# Altium PCB GPS_Tracking_V1_3.PcbDoc (continued)
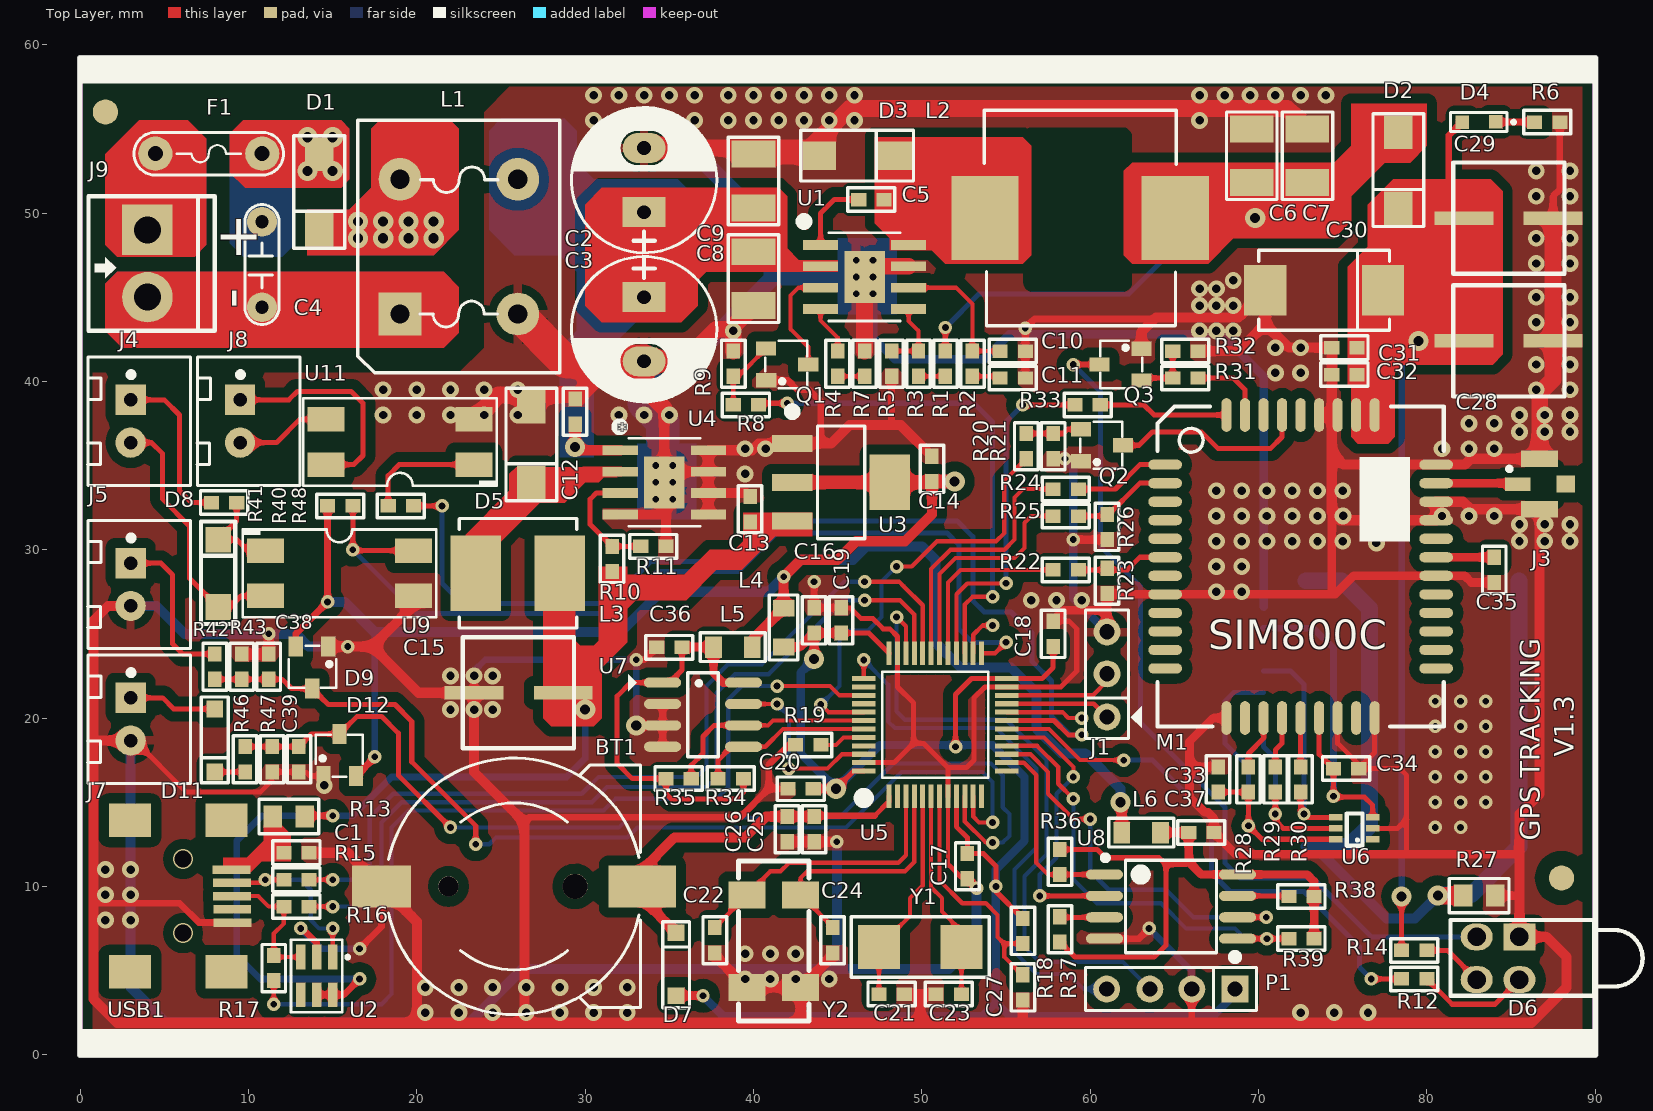
[diagram p0: Top Layer view]
## Nets (pads, with @x,y where several pads share a name; then routed paths per layer and width w, separated by ;. In a path a pad name is that pad's centre, name@x,y a point inside that pad or via, vN(x,y) a via of type N, cw(c..) or ccw(c..) an arc to the next point about the centre after c; other vN are vias at no path point)
+3V3: C14.2 D9.2 D12.2 L4.1 L5.1 L6.1 R40.2 U3.2 U3.4 | length 107.5
  Top Layer w0.4: D9.2 12.815,25.015 v2(14.7,26.9) R40.2 ; D12.2 17.5,17.664 v2(17.5,17.7)
  Top Layer w0.6: L5.1 39.925,24.66 L4.1 v2(41.789,28.389) 42.8,29.4 45,29.4 46.1,30.5 49,30.5 50.6,32.1 C14.2 ; v3(61.8,15) 61.875,14.925 L6.1
  Top Layer w0.8: U3.2 U3.4 50.55,34 C14.2 v4(51.95,34.05)
  Bottom Layer w0.4: v2(17.5,17.7) 17.5,24.9
  Bottom Layer w0.6: v2(14.7,26.9) 15.7,26.9 17.5,25.1 32.1,25.1 34.5,27.5 40.9,27.5 v2(41.789,28.389) 42.8,29.4 45.9,29.4 46.7,30.2 50,30.2 50.8,29.4 50.8,24.5 52.3,23 55.3,23 56.8,21.5 56.8,19.4 58.3,17.9 59.7,17.9 61.8,15.8 v3(61.8,15)
+3V3_EEPROM: C36.2 L5.2 R34.1 R35.1 U7.1 U7.8 | length 25.1
  Top Layer w0.3: C36.2 35.75,22.85 35.005,22.105 U7.1 32.705,22.105 31.9,21.3 31.9,17.3 32.8,16.4 R35.1 34.8,15.5 35.1,15.2 39,15.2 39.4,15.6 R34.1
  Top Layer w0.5: C36.2@35.761,24.211 L5.2 37.625,22.675 38.195,22.105 U7.8
+3V3_FLASH: C37.1 L6.2 R36.2 R37.2 R38.1 R39.1 U8.8 | length 34.6
  Top Layer w0.3: R37.2 59.1,5.8 63.8,5.8 64.5,6.5 64.5,11.3 ; R36.2 60.4,12.2 60.9,11.7 64.1,11.7 64.5,11.3 ; 65.85,11.45 65.7,11.3 64.5,11.3
  Top Layer w0.5: L6.2@64.186,13.2 C37.1 65.85,11.45 66.595,10.705 U8.8 72.895,10.705 73.3,10.3 R38.1 R39.1
+3V3_MCU: C16.2 C17.2 C18.2 C19.2 C20.2 D7.1 L4.2 P1.1 R18.2 U5.9 U5.24 U5.36 U5.48 | length 103
  Top Layer w0.3: v3(44.9,15.8) 45.95,16.85 U5.48 ; C19.2 46.85,25.05 U5.36 ; v2(52,18.3) 52,21.4 52.95,22.35 U5.24 57.15,22.35 57.8,23 C18.2 ; U5.9 52.05,13.55 52.7,12.9 C17.2@52.7,12.25 ; C17.2 53.65,11.95 54.4,11.2 v2(54.4,10) 54.4,9.7 R18.2
  Top Layer w0.4: C20.2 v3(44.9,15.8)
  Top Layer w0.5: D7.1 36.992,3.508 v2(37,3.5) ; L4.2 42.775,24.225 C16.2 ; v3(43.6,23.5) C16.2 ; C19.2 C16.2
  Bottom Layer w0.5: v2(37,3.5) 38.2,2.3 53.6,2.3 54.4,3.1 ; v3(43.6,23.5) 42.8,22.7 42.8,17.9 v3(44.9,15.8) 47.5,18.4 54.2,18.4 56.1,16.5 56.1,12.7 54.4,11 v2(54.4,10) 54.4,3.1 ; P1.1@68.6,3.6 67.3,2.3 55.2,2.3 54.4,3.1
+4V3: C6.2 C7.2 D2.1 L2.2 R1.2 | length 39.4
  Top Layer w0.3: R1.2 v2(51.4,43.2) ; v4(69.8,49.7) C6.2@69.8,51.6
  Top Layer w1: L2.2 67.5,49.7 C6.2 C7.2 74.808,51.8 D2.1@77.9,54.892
  Bottom Layer w0.3: v2(51.4,43.2) 53.4,45.2 62.3,45.2 66.8,49.7 v4(69.8,49.7)
+4V_GSM: C28.1 C29.1 C30.1 C31.1 C32.1 D2.2 D4.1 M1.34 M1.35 R14.2 | length 71.8
  Top Layer w0.3: R14.2 v3(78.5,9.4)
  Top Layer w0.4: D4.1 81.3,54.6 81.3,50.6 81.508,50.392 C29.1
  Top Layer w0.6: C32.1@75.8,40.45 M1.35 M1.34
  Top Layer w1: C32.1@75.8,40.45 75.8,43.8 C30.1 79.2,45.4 C28.1 ; D2.2@77.9,50.392 81.508,50.392 ; v3(79.5,42.4) C28.1 ; C29.1 C28.1
  Bottom Layer w0.4: v3(78.5,9.4) 78.5,41.4 v3(79.5,42.4)
+5V: C13.2 C15.1 L3.1 R10.2 R13.1 U2.5 U2.6 U3.3 | length 76.7
  Top Layer w0.4: R13.1@13.4,14.2 v5(15,14.2) ; U2.5 U2.6 15.665,3.565 v5(16.6,4.5)
  Top Layer w0.6: L3.1 28.5,21.7 C15.1 C15.1@29,21.5 ; v4(30,20.5) C15.1@29,21.5 ; R10.2 31.6,26.2 ; U3.3 39.85,31.7 C13.2 39.8,30.1 38.9,29.2 37.5,29.2 36,27.7 31.7,27.7 31.6,27.6 31.6,26.2 ; C15.1@29,21.5 29,21.8 31.6,24.4 31.6,26.2
  Bottom Layer w0.4: v5(16.6,4.5) 10.7,4.5 9.3,5.9 9.3,12.7 10.8,14.2 v5(15,14.2) 16.2,14.2 18.5,16.5 28.9,16.5 30,17.6 v4(30,20.5)
+5V_USB: C1.2 R13.2 USB1.1 | length 5.6
  Top Layer w0.25: USB1.1 9.7,11 10.7,12 11.85,12 11.85,12.65 11.45,13.05 R13.2
+VDC_INPUT: F1.1 J9.1 | length 4.1
  Bottom Layer w1: J9.1 F1.1@4,53.057
+VIN: C2.1 C3.1 C8.2 C9.2 C12.2 L1.3 U1.2 U4.1 | length 41.3
  Top Layer w0.6: C12.2 v4(29.4,36.1) 29.595,35.905 U4.1 ; C9.2 C8.2 40.865,46.835 U1.2
  Top Layer w1: C2.1 C9.2@39.75,50.05
  Bottom Layer w1: L1.3 27.95,50.05 C2.1 C3.1 29.4,40.9 v4(29.4,36.1)
ADC_VIN_AC: C39.2 D12.3 R46.2 R47.2 U5.10 | length 60.4
  Top Layer w0.25: U5.10 52.55,13.85 53.8,12.6 v2(54.2,12.6)
  Top Layer w0.3: R46.2 R47.2 C39.2 13.75,19.05 D12.3 16.455,20.1 17.9,20.1 18.9,19.1 18.9,16.6 v2(22,13.5)
  Bottom Layer w0.25: v2(22,13.5) 32,13.5 32.6,14.1 45.1,14.1 48.3,17.3 54.1,17.3 54.8,16.6 54.8,14.7 55.2,14.3 55.2,13 54.8,12.6 v2(54.2,12.6)
ADC_VIN_BAT: C38.2 D9.3 R42.2 R43.2 U5.11 | length 59.2
  Top Layer w0.25: U5.11 53.05,14.15 53.4,13.8 v2(54.2,13.8)
  Top Layer w0.3: R42.2 R43.2 C38.2 12,22.3 12.55,21.75 D9.3 14.745,20.8 18.7,20.8 19.7,19.8 19.7,17.4 23.5,13.6 v2(23.5,12.5)
  Bottom Layer w0.25: v2(23.5,12.5) 24.3,12.5 24.7,12.9 32.5,12.9 33.1,13.5 45.5,13.5 48.8,16.8 53.6,16.8 54.2,16.2 v2(54.2,13.8)
CTRL_PWR_GSM: R8.2 U5.27 | length 29.5
  Top Layer w0.25: U5.27 52.55,26.75 53,27.2 v2(54.2,27.2)
  Top Layer w0.3: R8.2 40.4,38.7 v2(42,38.7)
  Bottom Layer w0.3: v2(42,38.7) 53.1,38.7 54.2,37.6 v2(54.2,27.2)
DATA_IN1: R40.1 U5.25 U9.4 | length 55.9
  Top Layer w0.25: U5.25 54.35,23.85 v2(55,24.5)
  Top Layer w0.3: R40.1 v5(16.2,30) 16.255,29.945 U9.4
  Bottom Layer w0.3: v5(16.2,30) 20,26.2 31.8,26.2 34.3,28.7 39.1,28.7 41.4,31 51.493,31 52.2,30.293 52.2,25.3 53,24.5 v2(55,24.5)
DATA_IN1+: J4.1 R41.1 | length 10
  Top Layer w0.3: J4.1 5,38.9 5.9,38 5.9,33.5 6.6,32.8 R41.1
DATA_IN1-: D8.1 J4.2 U9.2 | length 15.7
  Top Layer w0.3: J4.2 4.24,36.36 4.9,35.7 4.9,33 6.5,31.4 6.5,28.3 D8.1 8.9,26.6 9.555,27.255 U9.2
DATA_IN2: U5.26 | length 2.5
  Top Layer w0.25: U5.26 53.05,24.95 53.6,25.5 v2(54.2,25.5)
DATA_OUT1: R48.1 U5.19 | length 61.3
  Top Layer w0.3: R48.1 v2(21.5,32.6) ; U5.19 57.85,19.85 58.7,19 v2(59.5,19)
  Bottom Layer w0.3: v2(21.5,32.6) 21.5,28 22.7,26.8 31.4,26.8 33.9,29.3 38.8,29.3 41.2,31.7 52.1,31.7 53.025,30.775 53.025,26.975 53.7,26.3 55.3,26.3 56.55,25.05 56.55,23.35 57.7,22.2 57.7,20.1 58.8,19 v2(59.5,19)
DATA_OUT2: U5.20 | length 4.6
  Top Layer w0.25: U5.20 58.35,20.35 58.7,20 v2(59.5,20)
FEEDBACK_4V: R3.1 R5.2 U1.5 | length 4.3
  Top Layer w0.25: R5.2 R3.1 49.8,43 49.216,43.584 U1.5
FLASH_CLK: U5.15 U8.6 | length 23.7
  Top Layer w0.25: U5.15 56.45,17.85 57.5,16.8 57.5,15.5 59,14 v2(60,14)
  Top Layer w0.3: U8.6 v2(70.465,8.165)
  Bottom Layer w0.25: v2(60,14) 60,10.9 61.1,9.8 64.5,9.8 66.135,8.165 v2(70.465,8.165)
FLASH_DI: R39.2 U5.16 U8.5 | length 26.6
  Top Layer w0.25: U5.16 56.85,18.35 58.1,17.1 58.1,16.1 v2(59,15.2)
  Top Layer w0.3: U8.5 v2(70.5,6.895) R39.2@71.8,6.895
  Bottom Layer w0.25: v2(59,15.2) 59,10.4 60.4,9 64.2,9 65.7,7.5 68.6,7.5 69.205,6.895 v2(70.5,6.895)
FLASH_DO: U5.17 U8.2 | length 17
  Top Layer w0.25: U5.17 57.25,18.85 59,17.1 v2(59,16.5)
  Top Layer w0.3: v2(57,9.435) U8.2
  Bottom Layer w0.25: v2(57,9.435) 57,10.7 58,11.7 58,15.5 v2(59,16.5)
FLASH_SS: R36.1 U5.14 U8.1 | length 11.5
  Top Layer w0.25: U5.14 56.05,17.35 56.8,16.6 56.8,11.4 57.5,10.7 R36.1
  Top Layer w0.3: R36.1@58.295,10.705 U8.1
GND: BT1.2 C1.1 C2.2 C3.2 C6.1 C7.1 C8.1 C9.1 C10.1 C11.1 C12.1 C13.1 C14.1 C15.2 C16.1 C17.1 C18.1 C19.1 C20.1 C21.2 C22.2 C23.2 C24.2 C25.1 C26.1 C27.2 C28.2 C29.2 C30.2 C31.2 C32.2 C33.2 C34.2 C35.2 C36.1 C37.2 C38.1 C39.1 D3.1 D5.1 D6.1 D9.1 D12.1 J1.3 J2.1 J3.2 J5.2 J7.2 L1.2 M1.8 M1.13 M1.19 M1.21 M1.27 M1.30 M1.31 M1.33 M1.36 M1.37 P1.2 Q1.1 Q2.1 Q3.1 R5.1 R6.1 R7.1 R9.1 R11.1 R19.2 R21.1 R23.1 R26.1 R27.2 R32.1 R43.1 R47.1 U1.7 U1.9 U2.2 U3.1 U4.4 U4.5 U4.6 U4.7 U4.8 U4.9 U5.8 U5.23 U5.35 U5.47 U6.2 U7.2 U7.3 U7.4 U8.4 U9.3 U11.2 USB1.5 Y2.2 Y2.3 | length 823.1
  Top Layer w0.25: 51.55,11.25 U5.8
  Top Layer w0.3: J7.2 3.24,18.66 6.3,15.6 10.7,15.6 11.4,16.3 R47.1 C39.1 13.4,16.8 13.645,16.555 D12.1 ; C19.1 45.75,26.55 46.4,25.9 47.1,25.9 47.7,25.3 48.1,25.3 48.55,24.85 U5.35 48.55,21.85 49.5,20.9 49.5,18.5 ; U5.47 48.35,17.35 49.5,18.5 ; U5.8 51.55,17.05 ; 51.625,11.25 C17.1@52.325,10.55 ; C18.1 58.75,25.75 59.2,25.3 59.2,22.8 58.25,21.85 U5.23 53.75,21.85 53.1,21.2 53.1,17.5 52.65,17.05 51.55,17.05 ; M1.19 74.7,18.5 75.95,17.25 C34.2 ; U6.2 78.25,13.45 78.8,14 ; M1.21 76.9,17.95 C34.2 ; 78.8,12.1 78.8,14 ; 49.5,18.5 50.1,18.5 51.55,17.05 ; C34.2 78.4,17 78.8,16.6 78.8,14
  Top Layer w0.4: 0.8,9 5.9,9 7.05,7.85 USB1.5 ; v2(13.1,7.5) 13.1,7.6 14.05,6.65 U2.2 ; v2(16.6,6.3) 17.9,7.6 BT1.2 ; C15.2 v1@23.4,22.8 ; 26.4,13.8 26.7,14.1 39.2,14.1 40.9,15.8 ; v3(33.035,19.565) U7.3 ; v2(33.035,23.465) 33.515,23.465 C36.1 ; U7.4 U7.3 ; U7.2 U7.3 ; Q1.1 42.04,40.06 42.6,39.5 43.3,39.5 44,38.8 44,36.3 ; C20.1 40.9,15.8 ; R19.2 42.1,18.4 40.9,17.2 40.9,15.8 ; v2(43.6,28.1) C16.1 C19.1 ; R5.1 48.2,37.6 48.4,37.4 ; C11.1 C10.1 v2(56.15,43.15) 56.7,43.7 63.8,43.7 63.9,43.8 ; U8.4 62.895,6.895 v2(63.5,7.5) ; 66.035,1.965 P1.2 ; C29.2 87.5,51 87.9,51.4 R6.1
  Top Layer w0.508: C18.1 58.45,26.4 61,26.4 ; v2(59,30.6) R26.1 ; J1.3 61,26.4 ; R23.1 61,26.4 ; R23.1@61.05,27.35 M1.8 74.25,27.35 ; 65.9,17.1 C33.2 ; M1.13 67.3,20 65.9,18.6 65.9,15.3 66.8,14.4 67,14.4 67.35,14.05 C37.2 68.65,11.9 85.3,11.9 85.5,12.1 ; 74.35,32.25 74.35,27.45 74.25,27.35 ; C35.2 82.65,28.05 82.25,28.45 M1.27 75.65,28.45 74.55,27.35 74.25,27.35 ; R27.2 85.45,9.45
  Top Layer w0.6: 0.96,18.66 J7.2 ; J5.2 1.66,26.66 0.8,25.8 0.8,9 0.8,3.3 2.2,1.9 20,1.9 ; R43.1 C38.1 v2(11.2,25) ; C1.1 15.9,12 BT1.2 20,7.9 20,1.9 ; D9.1 v2(15.9,24.245) 17.355,24.245 ; U9.3 19.8,26.689 17.355,24.245 ; U4.4 34.405,32.095 U4.9@34.8,32.49 ; U4.9@34.7,34 34.7,38.4 ; R11.1 U4.9@34.8,32.49 ; U4.9@34.8,33.9 U4.9@34.8,32.49 ; U4.9@35.335,34.635 U4.7 ; U4.5 U4.6 ; C22.2 37.7,5.9 Y2.2 Y2.3 ; C13.1@39.585,33.365 U4.6 ; C26.1 C25.1 v2(44.95,12.65) ; C24.2 44.7,5.9 Y2.3 ; C21.2 49.9,3.6 ; C14.1 48.75,37.4 48.4,37.4 45.7,37.4 44.6,36.3 44,36.3 U3.1 40.3,36.3 39.905,35.905 U4.8 U4.7 ; C23.2 49.9,3.6 ; C17.1 v2(53.25,9.9) ; 56,2 C27.2 ; Q3.1 63.045,42.945 63.8,43.7 ; 63.9,43.8 68.8,43.8 C30.2 70.4,43.4 ; R32.1 68.8,41.8 70.4,43.4 ; M1.37 74.35,38 ; J3.2@86.7,35.4 82.6,35.4 82.25,35.05 M1.33 75.05,35.05 74.35,35.75 ; 17.355,24.245 20.1,21.5 C15.2 23.4,16.8 26.4,13.8 26.4,1.9 ; 20,1.9 26.4,1.9 ; 26.4,1.9 42.8,1.9 ; U4.6 U4.7 ; 42.8,1.9 49.9,1.9 ; 42.8,1.9 Y2.3 ; 49.9,1.9 86.2,1.9 88.3,4 88.3,5.8 87.1,7 D6.1 85.5,12.1 85.5,14.3 86.7,15.5 86.7,32.4 82.6,32.4 82.15,32.85 M1.31 M1.30 74.85,31.75 74.35,32.25 74.35,35.75 ; 49.9,1.9 49.9,3.6 ; 70.4,43.4 71.8,42 C31.2 C32.2 74.35,38 ; 74.35,35.75 74.35,38
  Top Layer w1: U11.2 24.855,39.2 29.65,39.2 31.64,41.19 ; C2.2 43.36,53.86 45.7,56.2 71.7,56.2 C7.1 ; 34.7,38.4 33.5,39.6 C3.2 35.89,41.19 37.8,43.1 38.6,43.1 v1@38.8,43.3 ; R9.1 v1@38.8,43.3 ; C8.1 v1@38.8,43.3 ; C9.1@40.1,53.4 D3.1 ; R7.1 U1.9@46.6,46.2 ; U1.9@47.235,46.835 U1.7 ; J3.2@86.7,35.4 86.7,39.3 87.5,40.1 C28.2 C29.2
  Top Layer w2: L1.2 28.81,41.19 31.64,41.19 C3.2
  Bottom Layer w0.4: v2(13.1,7.5) 14.3,6.3 v2(16.6,6.3) ; v1@23.4,22.8 24.065,23.465 v2(33.035,23.465) v3(33.035,19.565) ; v2@56,43 v2(56.15,43.15) ; v2(63.5,7.5) 66.035,4.965 P1.2
  Bottom Layer w0.508: U1.9@47.1,45.2 47.1,42.6 48.4,41.3 53.7,41.3 55.2,42.8 v2@56,42.8 ; v2@56.15,42.8 67.8,42.8 70.3,40.3 J2.1 ; v2(58.5,35.4) 59,34.9 v2(59,30.6) 59,27.115 J1.3
  Bottom Layer w0.6: J7.2 3,4 5.1,1.9 23.1,1.9 26.3,5.1 51.6,5.1 53.25,6.75 v2(53.25,9.9) ; J5.2 4.54,26.66 6.2,25 v2(11.2,25) 12.8,25 13.555,24.245 v2(15.9,24.245) ; 44.95,5.25 v2(44.95,12.65) v2@45,12.7
  Bottom Layer w1: C3.2 36.19,41.19 41.1,46.1 41.1,49 36.24,53.86 C2.2 ; 41.1,46.2 U1.9@46.1,46.2
  Bottom Layer w2: C3.2 33.5,38.7 34.6,37.6 34.6,33.1
  other v1: 20.5,2.5 22.5,2.5 24.5,2.5 26.5,2.5 28.5,2.5 30.5,2.5 32.5,2.5 72.5,2.5 74.5,2.5 76.5,2.5 20.5,4 22.5,4 24.5,4 26.5,4 28.5,4 30.5,4 32.5,4 39.5,4.5 41,4.5 42.5,4.5 44.5,4.5 39.5,6 41,6 42.5,6 1.5,8 3,8 1.5,9.5 3,9.5 1.5,11 3,11 14.5,16 22,20.5 23.4,20.5 24.5,20.5 22,22.5 24.5,22.5 23.4,22.514 56.5,27 58,27 59.5,27 67.5,27.5 69,27.5 67.5,29 69,29 77,30.4 67.5,30.5 69,30.5 70.5,30.5 72,30.5 73.5,30.5 75,30.5 85.5,30.5 87,30.5 88.5,30.5 85.5,31.5 88.5,31.5 87.012,31.52 67.5,32 69,32 70.5,32 72,32 73.5,32 75.023,32.004 77,32 80.9,32 82.5,32 84,32 67.5,33.5 69,33.5 70.5,33.5 72,33.5 73.5,33.5 75,33.5 77,33.5 39.5,34.5 77,35 40.719,35.992 39.5,36 80.9,36 82.5,36 84,36 85.5,37 87,37 88.5,37 82.5,37.5 84,37.5 18,38 20,38 22,38 24,38 26,38 32,38 33.5,38 35,38 85.5,38 87,38 88.5,38 18,39.5 20,39.5 22,39.5 24,39.5 26,39.5 32,39.5 33.5,39.5 35,39.5 86.5,39.5 88.5,39.5 71,40.5 72.5,40.5 86.5,41 88.5,41 71,42 72.5,42 38.8,43 66.5,43 67.5,43 68.5,43 86.5,43.5 88.5,43.5 66.5,44.5 67.5,44.5 68.5,44.5 86.5,45 88.5,45 66.5,45.5 67.5,45.5 68.5,46 86.5,47 88.5,47 86.5,48.5 88.5,48.5 86.5,51 88.5,51 86.5,52.5 88.5,52.5 30.5,55.5 32,55.5 33.5,55.5 35,55.5 36.5,55.5 38.5,55.5 40,55.5 41.5,55.5 43,55.5 44.5,55.5 46,55.5 66.5,55.5 30.5,57 32,57 33.5,57 35,57 36.5,57 38.5,57 40,57 41.5,57 43,57 44.5,57 46,57 66.5,57 68,57 69.5,57 71,57 72.5,57 74,57
  other v2: 80.5,13.5 82,13.5 80.5,15 82,15 83.5,15 80.5,16.5 82,16.5 83.5,16.5 80.5,18 82,18 83.5,18 80.5,19.5 82,19.5 83.5,19.5 80.5,21 82,21 83.5,21
GND_INPUT: C4.1 J9.2 L1.1 | length 15.4
  Bottom Layer w2: J9.2 10.2,45 C4.1 18.6,44.4 L1.1
GSM_DTR: R22.1 U5.29 | length 10.8
  Top Layer w0.25: U5.29 51.55,28.05 52.3,28.8 R22.1
GSM_NETLIGHT: M1.41 R31.1 | length 4.6
  Top Layer w0.3: R31.1 68.5,40.2 69.2,39.5 M1.41
GSM_PWRKEY: R20.1 U5.41 | length 25.6
  Top Layer w0.25: v2(44,20.8) 44.45,20.35 U5.41 ; v2(48.5,29) 49.4,29 50.9,30.5 54.4,30.5 54.9,31 54.9,34.1 R20.1
  Bottom Layer w0.25: v2(44,20.8) 45.1,21.9 45.1,24.6 45.7,25.2 46.8,25.2 47.6,26 47.6,28.1 v2(48.5,29)
GSM_RF: J3.1 M1.32 | length 4.8
  Top Layer w0.508: M1.32 J3.1@85.35,33.95
GSM_RXD: R24.1 U5.31 | length 15.7
  Top Layer w0.25: U5.31 50.55,28.85 51.7,30 54.9,30 55.5,30.6 55.5,33.1 56,33.6 R24.1
GSM_STATUS: R33.2 U5.28 | length 20.8
  Top Layer w0.25: U5.28 52.05,27.35 52.7,28 v2(55,28)
  Top Layer w0.3: v2(56,38.6) R33.2
  Bottom Layer w0.3: v2(55,28) 55,37.6 v2(56,38.6)
GSM_TXD: R25.1 U5.30 | length 13.8
  Top Layer w0.25: U5.30 51.05,28.55 52,29.5 55.5,29.5 56.1,30.1 56.1,31.6 56.5,32 R25.1
LED_STATUS: R12.2 U5.18 | length 32.2
  Top Layer w0.25: U5.18 57.55,19.35 59.4,17.5 v2(62,17.5)
  Top Layer w0.3: v2(76.7,4.5) R12.2
  Bottom Layer w0.3: v2(62,17.5) 63.7,17.5 67.2,14 67.2,10.8 68.3,9.7 72.7,9.7 76,6.4 76,5.2 v2(76.7,4.5)
MCU_BOOT0: R19.1 U5.44 | length 2.7
  Top Layer w0.25: R19.1 44.9,18.4 45.35,18.85 U5.44
MCU_RESET: C27.1 R18.1 U5.7 | length 14.6
  Top Layer w0.25: U5.7 51.05,10.35 52.4,9 53.8,9 54.5,8.3 54.5,7 54.9,6.6 ; C27.1 55.95,4.75 54.9,5.8 54.9,6.6 ; R18.1 54.9,6.6
MCU_TCK: P1.4 U5.37 | length 33.1
  Top Layer w0.25: U5.37 v2(46.55,23.45)
  Bottom Layer w0.25: v2(46.55,23.45) 48,22 48,19.8 48.4,19.4 54.4,19.4 56.8,17 56.8,12.3 55.5,11 55.5,6.1 56.8,4.8 58.7,4.8 59.6,3.9 P1.4
MCU_TMS: P1.3 U5.34 | length 38.2
  Top Layer w0.25: v2(48.5,26) 49.05,25.45 U5.34
  Bottom Layer w0.25: v2(48.5,26) 48.5,20.4 49,19.9 55,19.9 57.4,17.5 57.4,11.9 56.1,10.6 56.1,6.4 57,5.5 61.945,5.5 P1.3
NetC4_2: C4.2 D1.1 F1.2 | length 7.4
  Top Layer w1: F1.2 D1.1@14.168,53.524
  Bottom Layer w1: C4.2@10.817,49.497 F1.2
  other v3: 13.5,52.5 15,52.5 13.5,54.5 15,54.5
NetC5_1: C5.1 U1.1 | length 4.5
  Top Layer w0.3: U1.1 43.984,49.984 44.8,50.8 C5.1
NetC5_2: C5.2 D3.2 L2.1 U1.8 | length 11.4
  Top Layer w0.6: C5.2 49,50.8 ; D3.2 48.408,51.392 49,50.8 ; U1.8 50.311,49.2 ; L2.1 50.811,49.7 50.311,49.2 ; 49,50.8 50.311,49.489 50.311,49.2
NetC10_2: C10.2 R2.2 U1.6 | length 8.6
  Top Layer w0.25: U1.6 52.035,45.565 53,44.6 R2.2 C10.2
NetC11_2: C11.2 R2.1 | length 1.5
  Top Layer w0.25: R2.1 C11.2@54.55,40.3
NetC21_1: C21.1 U5.5 Y1.1 | length 12.8
  Top Layer w0.25: C21.1 Y1.1 49.3,8.25 49.3,9.3 50.05,10.05 U5.5
NetC22_1: C22.1 U5.3 Y2.1 | length 16.7
  Top Layer w0.25: C22.1 39.6,9.45 Y2.1 41,10.9 41.6,10.9 42.1,11.4 48.6,11.4 49.05,11.85 U5.3
NetC23_1: C23.1 U5.6 Y1.2 | length 12.5
  Top Layer w0.25: U5.6 50.55,9.95 51.2,9.3 51.2,8.5 52.35,7.35 Y1.2 C23.1
NetC24_1: C24.1 U5.4 Y2.4 | length 14.8
  Top Layer w0.25: C24.1 44.7,7.6 Y2.4 42.8,10.5 43.2,10.9 49,10.9 49.55,11.45 U5.4
NetD1_2: D1.2 L1.4 | length 6
  Top Layer w1: D1.2 15.992,48.992 L1.4
  other v3: 16.5,48.5 18,48.5 19.5,48.5 21,48.5 16.5,49.5 18,49.5 19.5,49.5 21,49.5
NetD4_2: D4.2 R6.2 | length 2.3
  Top Layer w0.4: D4.2@84.103,55.4 R6.2
NetD5_2: D5.2 L3.2 U4.2 | length 12.3
  Top Layer w0.6: L3.2 23.5,30.692 D5.2 29.292,33.992 29.935,34.635 U4.2
NetD6_2: D6.2 R12.1 | length 6.7
  Top Layer w0.3: R12.1 81.5,3 84.04,3 D6.2
NetD6_3: D6.3 Q3.2 | length 51.7
  Top Layer w0.3: v2(59,41) Q3.2
  Bottom Layer w0.3: v2(59,41) 60.6,39.4 60.6,30.2 63,27.8 63,19.7 68,14.7 68,11.4 68.9,10.5 73.2,10.5 76.7,7 D6.3
NetD6_4: D6.4 R14.1 | length 3.7
  Top Layer w0.3: R14.1 81.22,6.2 D6.4
NetD8_2: D8.2 R41.2 U9.1 | length 5.7
  Top Layer w0.3: R41.2 9.3,31.7 D8.2 9.3,30.6 9.955,29.945 U9.1
NetD11_2: D11.2 R46.1 | length 1.8
  Top Layer w0.3: D11.2 R46.1
NetJ2_7: J2.7 R27.1 | length 54.7
  Top Layer w1: v3(80.65,9.45) R27.1
  Bottom Layer w0.6: J2.7@72.8,12.36 73.34,12.36 77.6,8.1 79.3,8.1 v3(80.65,9.45)
  Bottom Layer w1: J2.7@72.8,28.16 74.94,28.16 76.6,26.5 76.6,13.6 75.36,12.36 J2.7@73.34,12.36 ; v3(80.65,9.45) 80.7,9.5 82.62,9.5 85.48,12.36 J2.7@85.48,28.16
NetM1_15: M1.15 R28.2 | length 3.3
  Top Layer w0.3: R28.2 69.4,17.9 70.3,18.8 M1.15
NetM1_16: M1.16 R29.2 | length 3.1
  Top Layer w0.3: R29.2 71,18.1 71.4,18.5 M1.16
NetM1_17: M1.17 R30.2 | length 2.9
  Top Layer w0.3: R30.2 M1.17
NetQ1_2: Q1.2 U1.3 | length 6.5
  Top Layer w0.25: Q1.2 43.25,42.05 42.2,43.1 42.2,45.1 42.665,45.565 U1.3
NetQ1_3: Q1.3 R8.1 R9.2 | length 4.3
  Top Layer w0.25: R8.1 R9.2 39.1,40.3 Q1.3
NetQ2_3: Q2.3 R20.2 R21.2 | length 3.4
  Top Layer w0.3: R20.2 R21.2 58.4,36.9 58.65,37.15 Q2.3
NetQ3_3: Q3.3 R31.2 R32.2 | length 3.3
  Top Layer w0.3: Q3.3@63.2,40.2 R31.2 R32.2
NetR1_1: R1.1 R3.2 | length 1.6
  Top Layer w0.25: R3.2 R1.1
NetR4_1: R4.1 R7.2 | length 1.6
  Top Layer w0.25: R4.1 R7.2
NetR4_2: R4.2 U1.4 | length 2.9
  Top Layer w0.25: U1.4 43.984,43.616 45,42.6 R4.2
NetR10_1: R10.1 R11.2 U4.3 | length 7
  Top Layer w0.3: U4.3 30.665,33.365 30.3,33 30.3,31.5 R10.1 R11.2
NetR37_1: R37.1 U8.3 | length 2.6
  Top Layer w0.3: R37.1@58.235,8.165 U8.3
NetR38_2: R38.2 U8.7 | length 3
  Top Layer w0.3: U8.7 70.5,9.435 R38.2@71.8,9.435
NetR48_2: R48.2 U11.1 | length 7.2
  Top Layer w0.3: R48.2 18.3,34.4 18.955,35.055 U11.1
OUT1+: J8.1 U11.4 | length 13.3
  Top Layer w0.3: J8.1 12.4,38.9 12.9,39.4 16.1,39.4 16.8,38.7 16.8,35.6 16.255,35.055 U11.4
OUT1-: J8.2 U11.3 | length 5.7
  Top Layer w0.3: J8.2 11.66,36.36 13.045,37.745 U11.3
POWERKEY: M1.39 Q2.2 | length 11.8
  Top Layer w0.3: Q2.2 62.9,36.2 63.7,37 66.6,37 67.6,36 70.7,36 71.4,36.7 M1.39
ROM_SCL: R35.2 U5.42 U7.6 | length 12.7
  Top Layer w0.25: U7.6 40.865,19.565 41.15,19.85 U5.42
  Top Layer w0.3: R35.2 36.3,17.2 37,17.9 37,18.9 37.665,19.565 U7.6
ROM_SDA: R34.2 U5.43 U7.5 | length 10.5
  Top Layer w0.25: U7.5@39.2,18.295 U7.5 40.695,18.295 41.75,19.35 U5.43
  Top Layer w0.3: R34.2 37.9,17.5 38.695,18.295 U7.5@39.2,18.295
ROM_WP: U5.46 U7.7 | length 10.9
  Top Layer w0.25: U7.7 v2(41.4,20.835) ; v2(42.1,17) 44.4,17 45.25,17.85 U5.46
  Bottom Layer w0.25: v2(41.4,20.835) 42.1,20.135 v2(42.1,17)
RXD3: J1.2 U5.22 | length 6.7
  Top Layer w0.25: U5.22 60.15,21.35 61,22.2 J1.2
SIM_CLK: J2.6 R29.1 U6.5 | length 11.7
  Top Layer w0.3: R29.1 v2(71,14.3) 71,13.9 71.45,13.45 U6.5
  Bottom Layer w0.3: J2.6 70.3,18.3 71,17.6 v2(71,14.3)
SIM_DATA: C33.1 J2.5 R28.1 U6.6 | length 19.8
  Top Layer w0.3: C33.1 R28.1 v2(69.4,13.6) 70.2,12.8 U6.6
  Bottom Layer w0.3: v2(69.4,13.6) 69.4,17.1 68,18.5 68,21 68.52,21.52 J2.5
SIM_RST: J2.4 R30.1 U6.4 | length 13.8
  Top Layer w0.3: R30.1 72.5,14.5 v2(72.7,14.3) 72.9,14.1 U6.4
  Bottom Layer w0.3: J2.4 71.91,22.79 72.7,22 v2(72.7,14.3)
SIM_VCC: C34.1 J2.2 M1.18 U6.3 | length 21.7
  Top Layer w0.3: M1.18 73.6,17.85 C34.1 v2(74.45,15.35) 74.5,15.3 76.3,15.3 76.779,14.821 U6.3
  Bottom Layer w0.4: J2.2 73.27,25.33 74.45,24.15 v2(74.45,15.35)
STATUS: M1.42 R33.1 | length 7.7
  Top Layer w0.3: R33.1 63.2,38.6 63.8,38 M1.42
TXD3: J1.1 U5.21 | length 6.3
  Top Layer w0.25: U5.21 60.21,20.85 J1.1
UART1_DTR: M1.6 R22.2 R23.2 | length 5.5
  Top Layer w0.3: R22.2 62.2,28.8 62.95,29.55 M1.6
UART1_RXD: M1.2 R25.2 R26.2 | length 6
  Top Layer w0.3: R25.2 61,32 62.95,33.95 M1.2
UART1_TXD: M1.1 R24.2 | length 5.8
  Top Layer w0.3: R24.2 61.5,33.6 62.95,35.05 M1.1
USB_D+: R16.1 R17.2 U2.3 USB1.3 | length 7.8
  Top Layer w0.25: USB1.3 10.575,9.425 11.2,8.8 R16.1@11.85,8.8 ; R16.1 12.1,7.8 11.5,7.2 11.5,6.1 11.8,5.8 U2.3
USB_D-: R15.1 U2.1 USB1.2 | length 10.9
  Top Layer w0.25: USB1.2 10.813,10.213 v2(11,10.4) R15.1@11.85,10.4 ; U2.1 v2(15,7.5)
  Bottom Layer w0.25: v2(11,10.4) 13.1,10.4 13.7,9.8 13.7,8 14.2,7.5 v2(15,7.5)
USB_DM: R15.2 U5.32 | length 52
  Top Layer w0.25: R15.2@13.35,10.4 R15.2 v2(15,10.4) ; v2(46.6,28.1) 48.65,28.1 48.925,27.825 50.05,26.7 U5.32
  Bottom Layer w0.25: v2(15,10.4) 16.5,10.4 17.2,11.1 17.2,14.1 18.6,15.5 29.8,15.5 30.8,16.5 36.6,16.5 37.2,17.1 37.2,21.9 38.5,23.2 40.5,23.2 45.4,28.1 v2(46.6,28.1)
USB_DP: R16.2 U5.33 | length 51.8
  Top Layer w0.25: R16.2@13.35,8.8 R16.2 v2(15,8.8) ; v2(46.6,27) 48.7,27 49.55,26.15 U5.33
  Bottom Layer w0.25: v2(15,8.8) 17.1,8.8 17.9,9.6 17.9,13.8 19.1,15 30.4,15 31.3,15.9 37.2,15.9 37.8,16.5 37.8,21.5 38.9,22.6 40.9,22.6 45.3,27 v2(46.6,27)
USB_UP: R17.1 U5.39 | length 53.4
  Top Layer w0.25: v2(11.5,3) R17.1 ; v2(41.4,21.9) 44.55,21.9 45.1,21.35 U5.39
  Bottom Layer w0.25: v2(11.5,3) 17.9,3 18.5,3.6 18.5,13.5 19.5,14.5 31.1,14.5 31.8,15.2 37.8,15.2 38.5,15.9 38.5,21.1 39.3,21.9 v2(41.4,21.9)
VBAT: BT1.1 C25.2 C26.2 D7.2 U5.1 | length 21.1
  Top Layer w0.3: 47.2,14.2 48.05,15.05 U5.1
  Top Layer w0.4: C25.2@43.65,14.2 47.2,14.2
  Top Layer w0.6: D7.2 33.4,9.25 BT1.1 33.4,11 35.3,12.9 39.5,12.9 40.75,14.15 C26.2 C25.2
VIN_AC: D11.1 J7.1 | length 5.3
  Top Layer w0.3: J7.1 4.9,21.2 5.558,20.542 D11.1
VIN_BAT: J5.1 R42.1 | length 9.6
  Top Layer w0.3: J5.1 4.8,29.2 5.5,28.5 5.5,24.4 6.1,23.8 R42.1
VRTC: C35.1 M1.28 | length 3.5
  Top Layer w0.508: M1.28 C35.1
pads on no net: BT1. J2.3 J3.0 M1.3 M1.4 M1.5 M1.7 M1.9 M1.10 M1.11 M1.12 M1.14 M1.20 M1.22 M1.23 M1.24 M1.25 M1.26 M1.29 M1.38 M1.40 U2.4 U5.2 U5.12 U5.13 U5.38 U5.40 U5.45 U6.1 USB1.0 USB1.4
copper on no net:
  other v6: 6.115,7.225 6.115,11.625

## Polygon pours and split planes (outlines as drawn)
GND on Bottom Layer "Top_GND" (solid, remove dead copper, pour order 0): 0,40.5 22.5,40.5 24,42 24,56 25.5,57.5 90,57.5 90,1.5 0,1.5
GND on Top Layer "Top_GND" (solid, remove dead copper, pour order 2): 0,40.5 22.5,40.5 24,42 24,56 25.5,57.5 90,57.5 90,1.5 0,1.5

## Keep-outs
Keep-Out Layer:
  lines w0.3: 0,0 90,0 90,59.2 0,59.2 0,0

## Other copper
Top Layer:
  region net +5V: 32,28.5 35.9,28.5 37.4,30 38.9,30 39.4,30.5 39.4,32.2 43.5,32.2 43.5,30.8 41.3,30.8 39.3,28.8 37.8,28.8 36,27 33,27 32.5,26.5 32,26.5
  region net +5V: 27.5,27.5 27.5,20 28,19.5 30.5,19.5 31,20 31,23 32.5,24.5 32.5,29 30.8,29 30.8,24.6 30.5,24.3 29.7,24.3 29.4,24.6 29.4,27.5
  region net NetD5_2: 31.9,34.9 25.9,34.9 25.5,34.5 25.5,33.5 22.9,30.9 22.9,29.1 24.8,29.1 24.8,30.3 27.3,32.8 28.8,32.8 30,34 30.8,34 31.1,34.3 31.9,34.3
  region net +4V_GSM: 78,52 76.5,50.5 76.5,48 75.3,46.8 75.3,43.9 75.3,39.8 75.5,39.6 75.5,36.7 75.9,36.3 77.7,36.3 78.1,36.7 78.1,40.5 78.6,41 83.9,41 84.5,41.6 84.5,51.3 83.8,52
  region net +4V3: 62,47.5 62.5,47 67,47 68.5,48.5 74.5,48.5 75.5,49.5 75.5,51 77.5,53 79,53 80,54 80,56.5 75.5,56.5 75.5,54 74.5,53 62.5,53 62,52.5
  region net NetC5_2: 47.2,54.5 47.2,49.4 48.1,48.5 48.1,47.8 50.6,47.8 51.4,47 56,47 56.5,47.5 56.5,54 56,54.5
  region net +VIN: 41.5,51.5 31,51.5 30,50.5 30,44.5 31,43.5 35.7,43.5 36.7,44.5 36.7,46 37.2,46.5 45,46.5 45,47.2 42.7,47.2 42,47.9 42,51
  region net NetC4_2: 9.7,55.5 8.9,54.7 8.9,52.4 9.8,51.5 15.5,51.5 16,52 16,55 15.5,55.5
  region net NetD1_2: 13.5,50.2 16,50.2 17.3,51.5 17.3,55 17.8,55.5 22,55.5 22.5,55 22.5,49 21,47.5 13.5,47.5
  region net +VDC_INPUT: 3.5,55.5 6.4,55.5 7.5,54.4 7.5,48.1 6.8,47.4 2.2,47.4 1.5,48.1 1.5,53.5
  region net GND_INPUT: 2.2,46.5 1.5,45.8 1.5,43 2.5,42 21.6,42 22.5,42.9 22.5,45.6 21.6,46.5 2.3,46.5
  region net +5V_USB: 10.9,13.6 10.9,12.7 9.9,11.7 8.5,11.7 8.5,10.8 10.1,10.8 10.8,11.5 12.5,11.5 12.5,13.1 12,13.6
Bottom Layer:
  region net +VIN: 25,55.6 24.3,54.9 24.3,49 25.8,47.5 28.5,47.5 29.5,46.5 29.5,43 28.5,42 28.5,35.5 30.5,35.5 30.5,41 33,43.5 35.5,43.5 36.5,44.5 36.5,51 35.5,52 30.5,52 29.5,53 29.5,54.9 28.8,55.6
  region net NetC4_2: 8.9,54.4 10,55.5 11.5,55.5 12.6,54.4 12.6,48 12,47.4 9.7,47.4 8.9,48.2
  region net NetC4_2: 9.7,55.5 8.9,54.7 8.9,52.4 9.8,51.5 15.5,51.5 16,52 16,55 15.5,55.5
  region net NetD1_2: 13.5,50.2 16,50.2 17.3,51.5 17.3,55 17.8,55.5 22,55.5 22.5,55 22.5,49 21,47.5 13.5,47.5
  region net +VDC_INPUT: 3.5,55.5 6.4,55.5 7.5,54.4 7.5,48.1 6.8,47.4 2.2,47.4 1.5,48.1 1.5,53.5
  region net GND_INPUT: 2.2,46.5 1.5,45.8 1.5,43 2.5,42 21.6,42 22.5,42.9 22.5,45.6 21.6,46.5 2.3,46.5
  region net GND: 45,48.5 48.5,48.5 48.5,44 45,44
  region net GND: 33.1,36.3 36.6,36.3 36.6,31.8 33.1,31.8

## Silkscreen, mask and mechanical layers (free items; w line width, h text height)
Top Overlay:
  circle w0.5: c32.05,37.3 r0.25
  circle w0.5: c43,49.5 r0.25
  region: 0,57.7 0,59.2 90,59.2 90,57.7
  region: 0,0 0,1.5 90,1.5 90,0
  lines w0.3: 0,0 90,0 90,59.2 0,59.2 0,0
  text "+" at 8,47.5 h2.5
  text "-" at 10.1,44.3 h2.5 r90
  text "V1.3" at 89.1,17.7 h2 r90
  text "GPS TRACKING" at 87.1,12.7 h2 r90
Bottom Overlay:
  region: 71.5,27 87,27 87,19.5 71.5,19.5
  region: 0,0 0,1.5 90,1.5 90,0
  region: 0,57.7 0,59.2 90,59.2 90,57.7
  lines w0.3: 59.8,5.2 69.8,5.2 ; 62.2,2.6 62.2,11.6 ; 64.8,2.6 64.8,11.6 ; 67.4,2.6 67.4,11.6 ; 59.8,2.6 59.8,11.6 69.8,11.6 69.8,2.6 59.8,2.6
  text "GPS TRACKING" at 65,55.5 h2.5
  text "V1.3" at 60.057,53.4 h2.5
  text "TMS" at 64.2,10 h2 r90
  text "GND" at 66.8,10 h2 r90
  text "TCK" at 61.6,9.8 h2 r90
  text "3V3" at 69.2,9.6 h2 r90

## Text inside footprints (layer, text, board x,y; h text height)
U4: Top Overlay "*" at 31.949,36.7 h0.79; Mechanical 1 "*" at 31.949,36.7 h0.79